# Altium PCB LimeSDR-XTRX_1v4.PcbDoc (part 1 of 8) (continued)
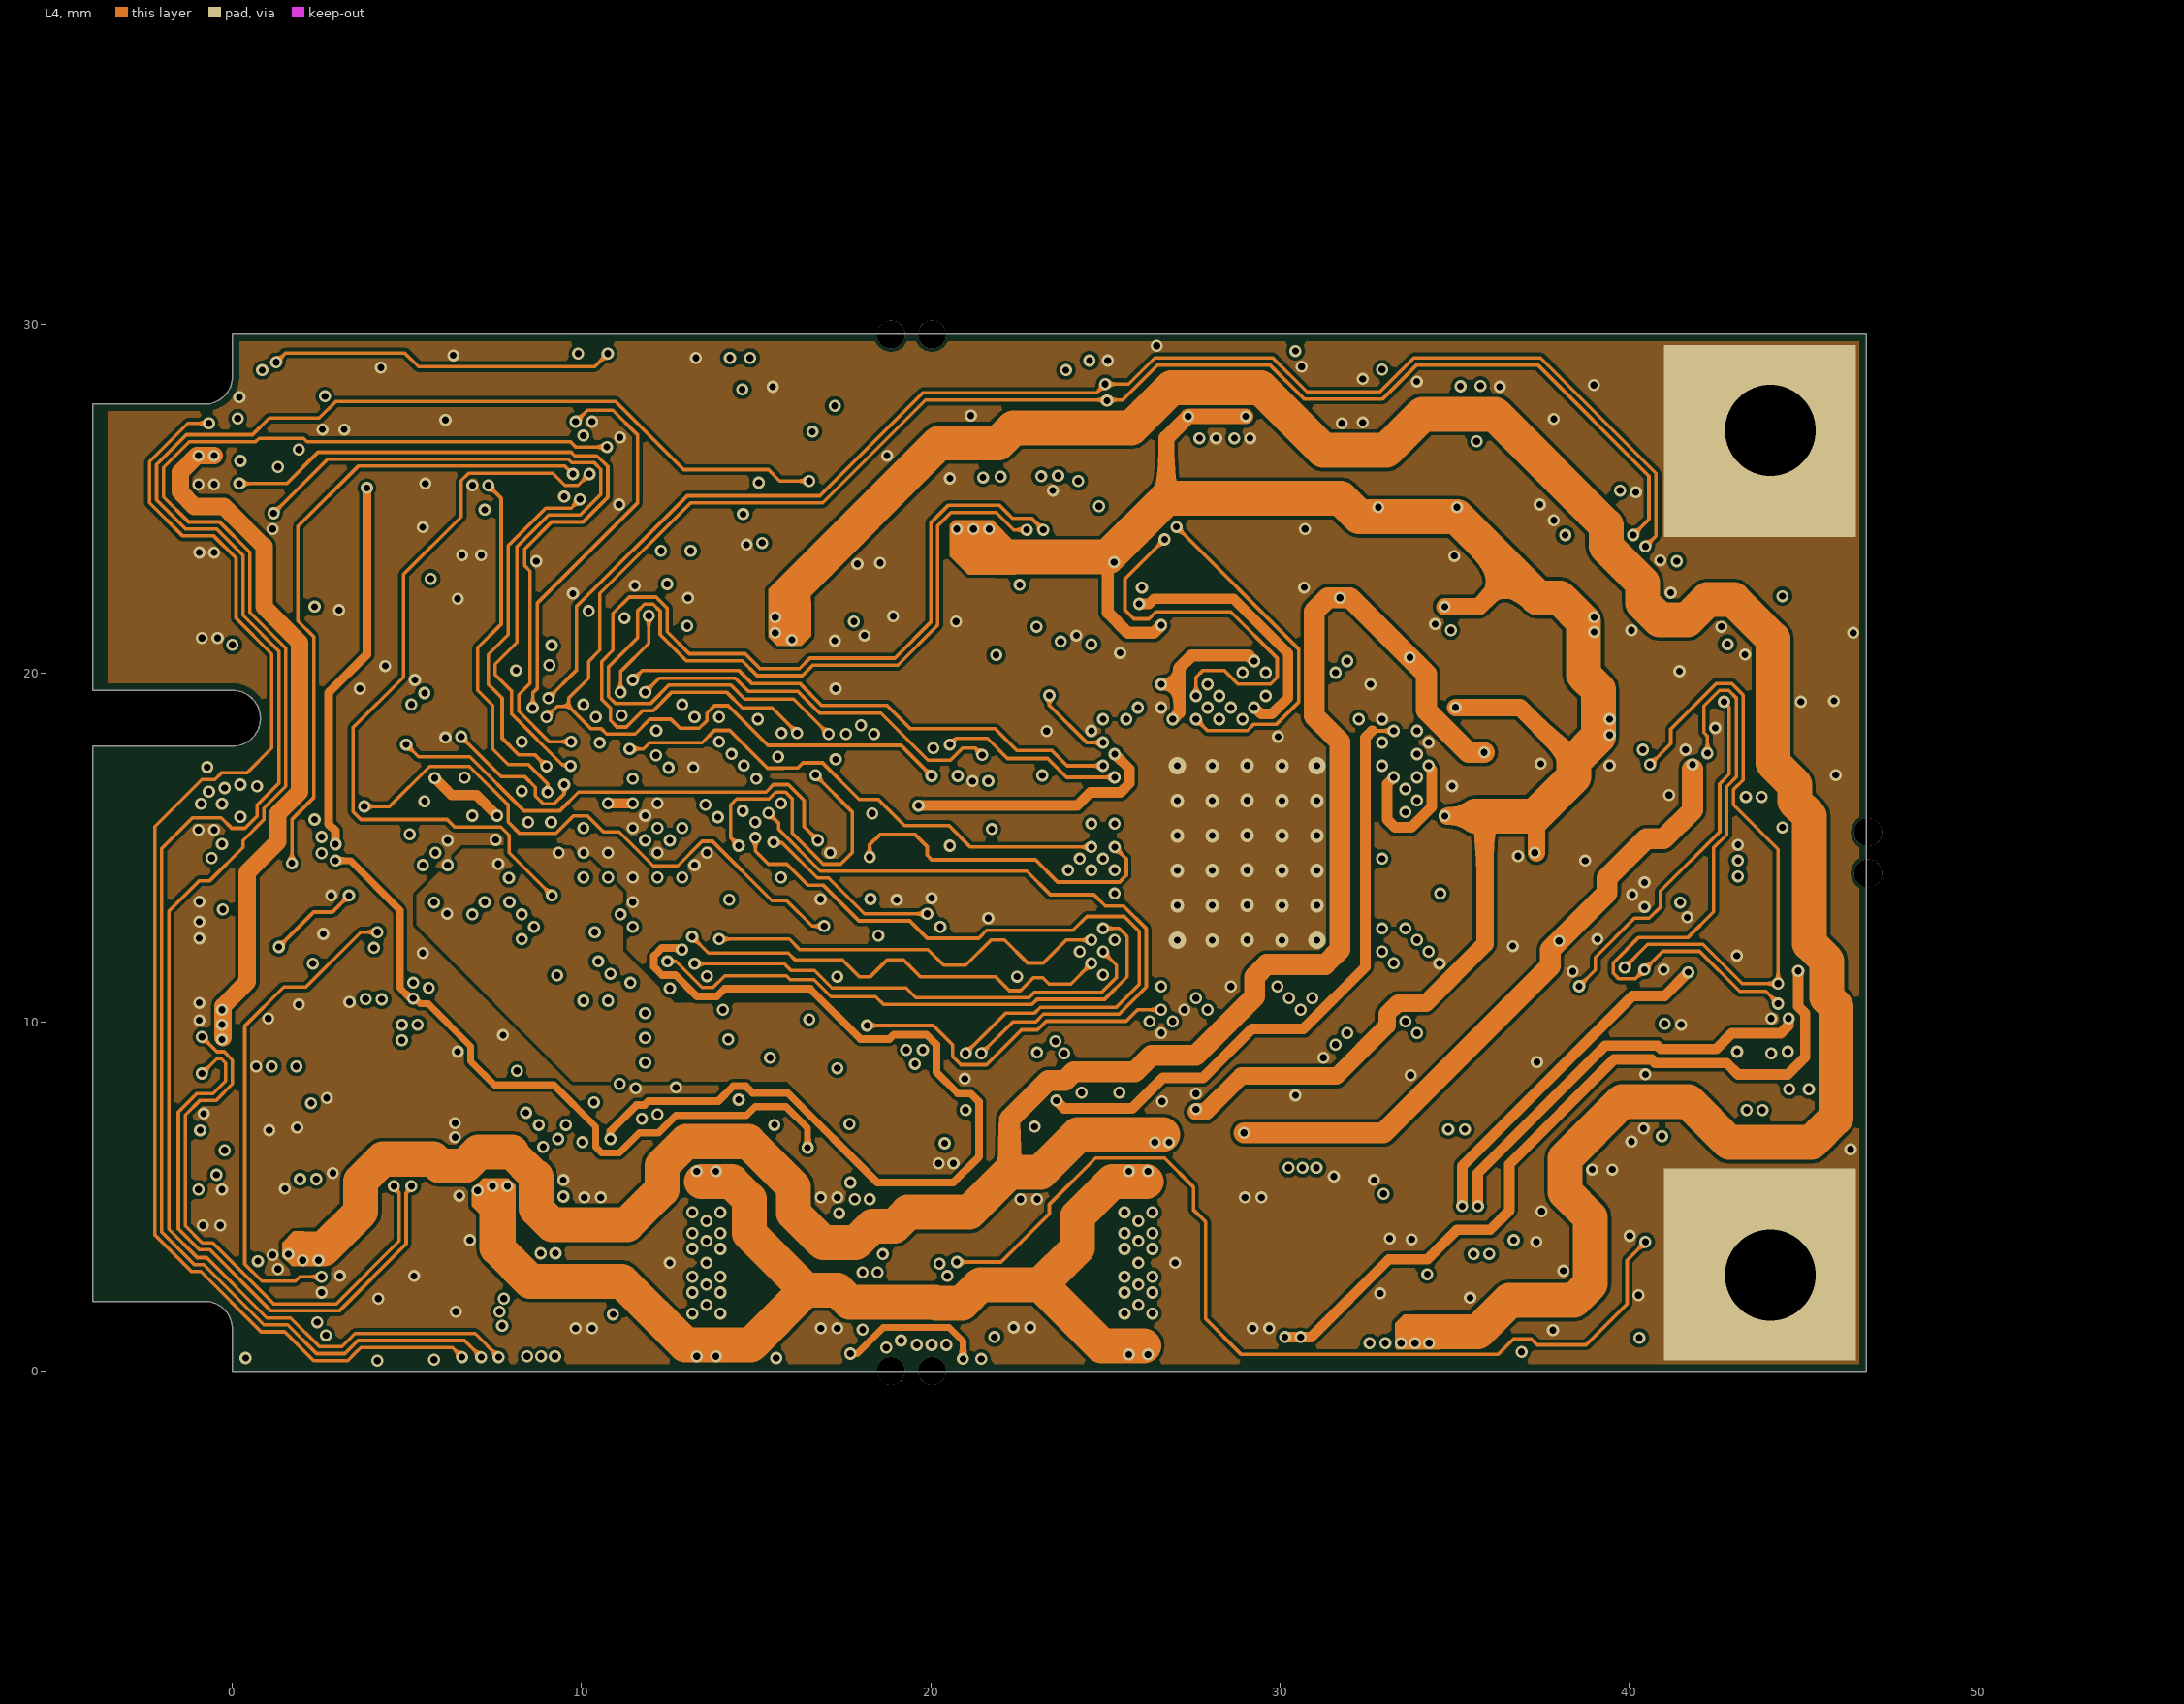
[diagram p4: L4]
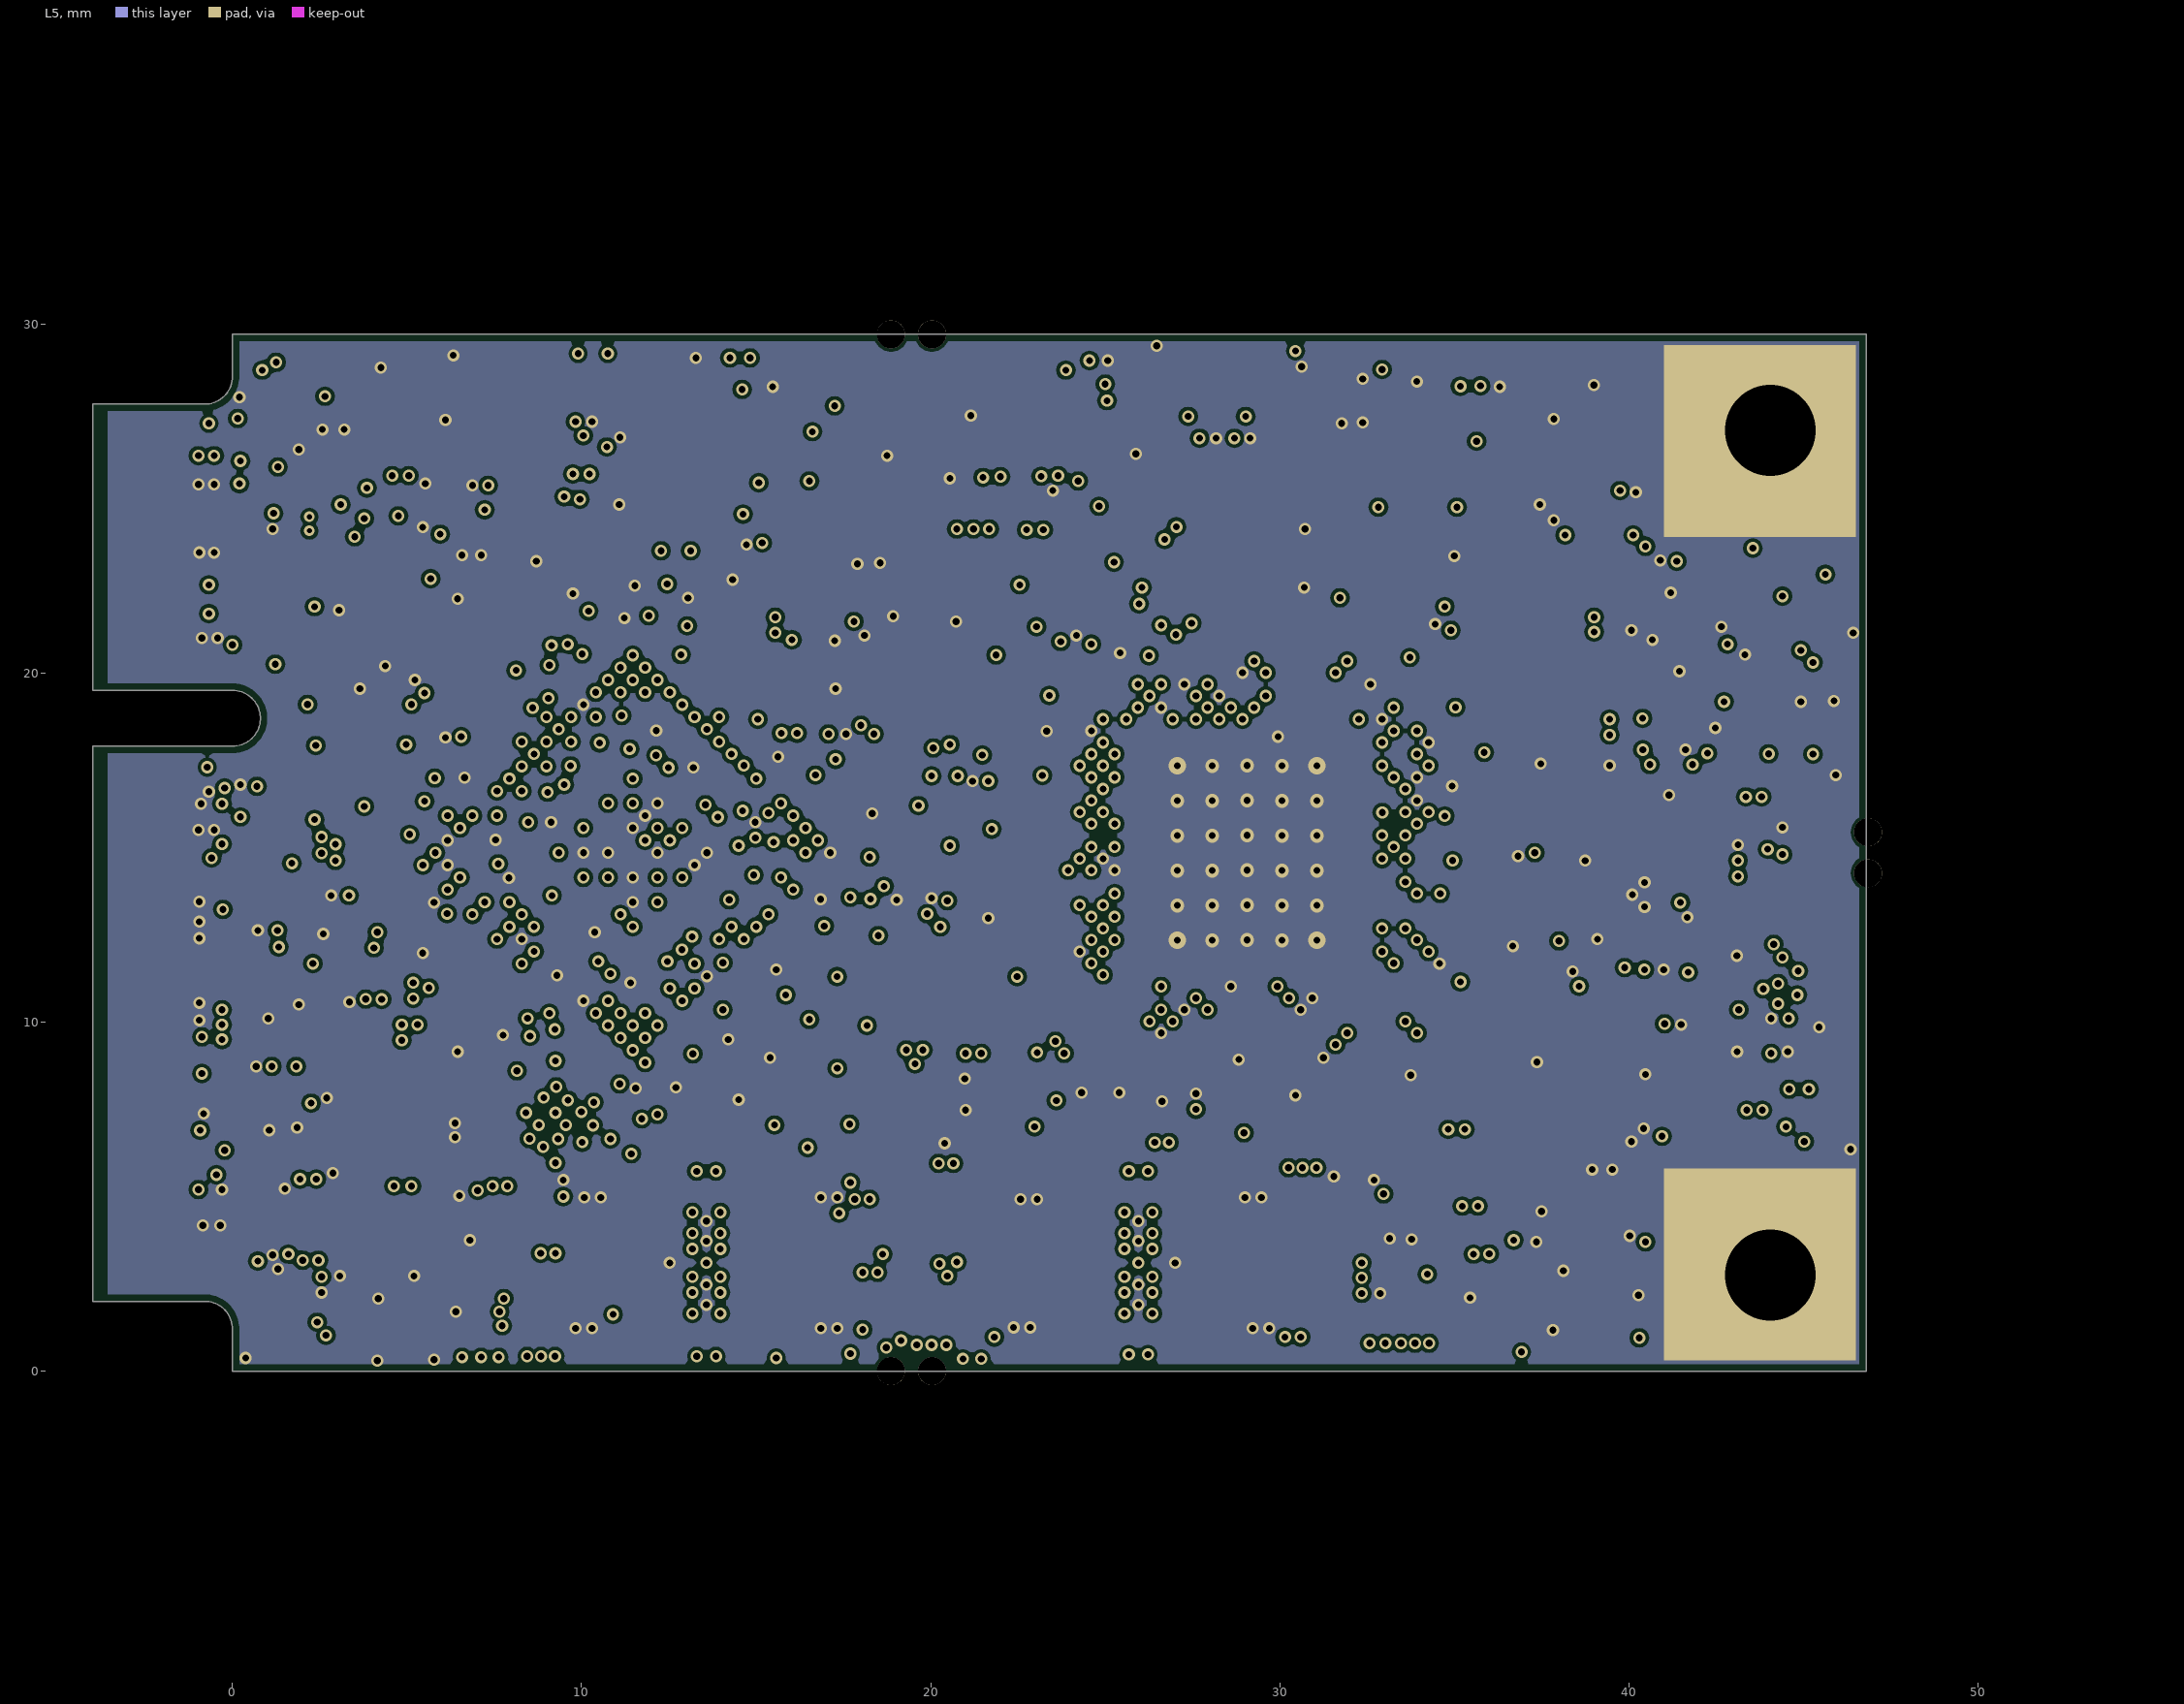
[diagram p5: L5]
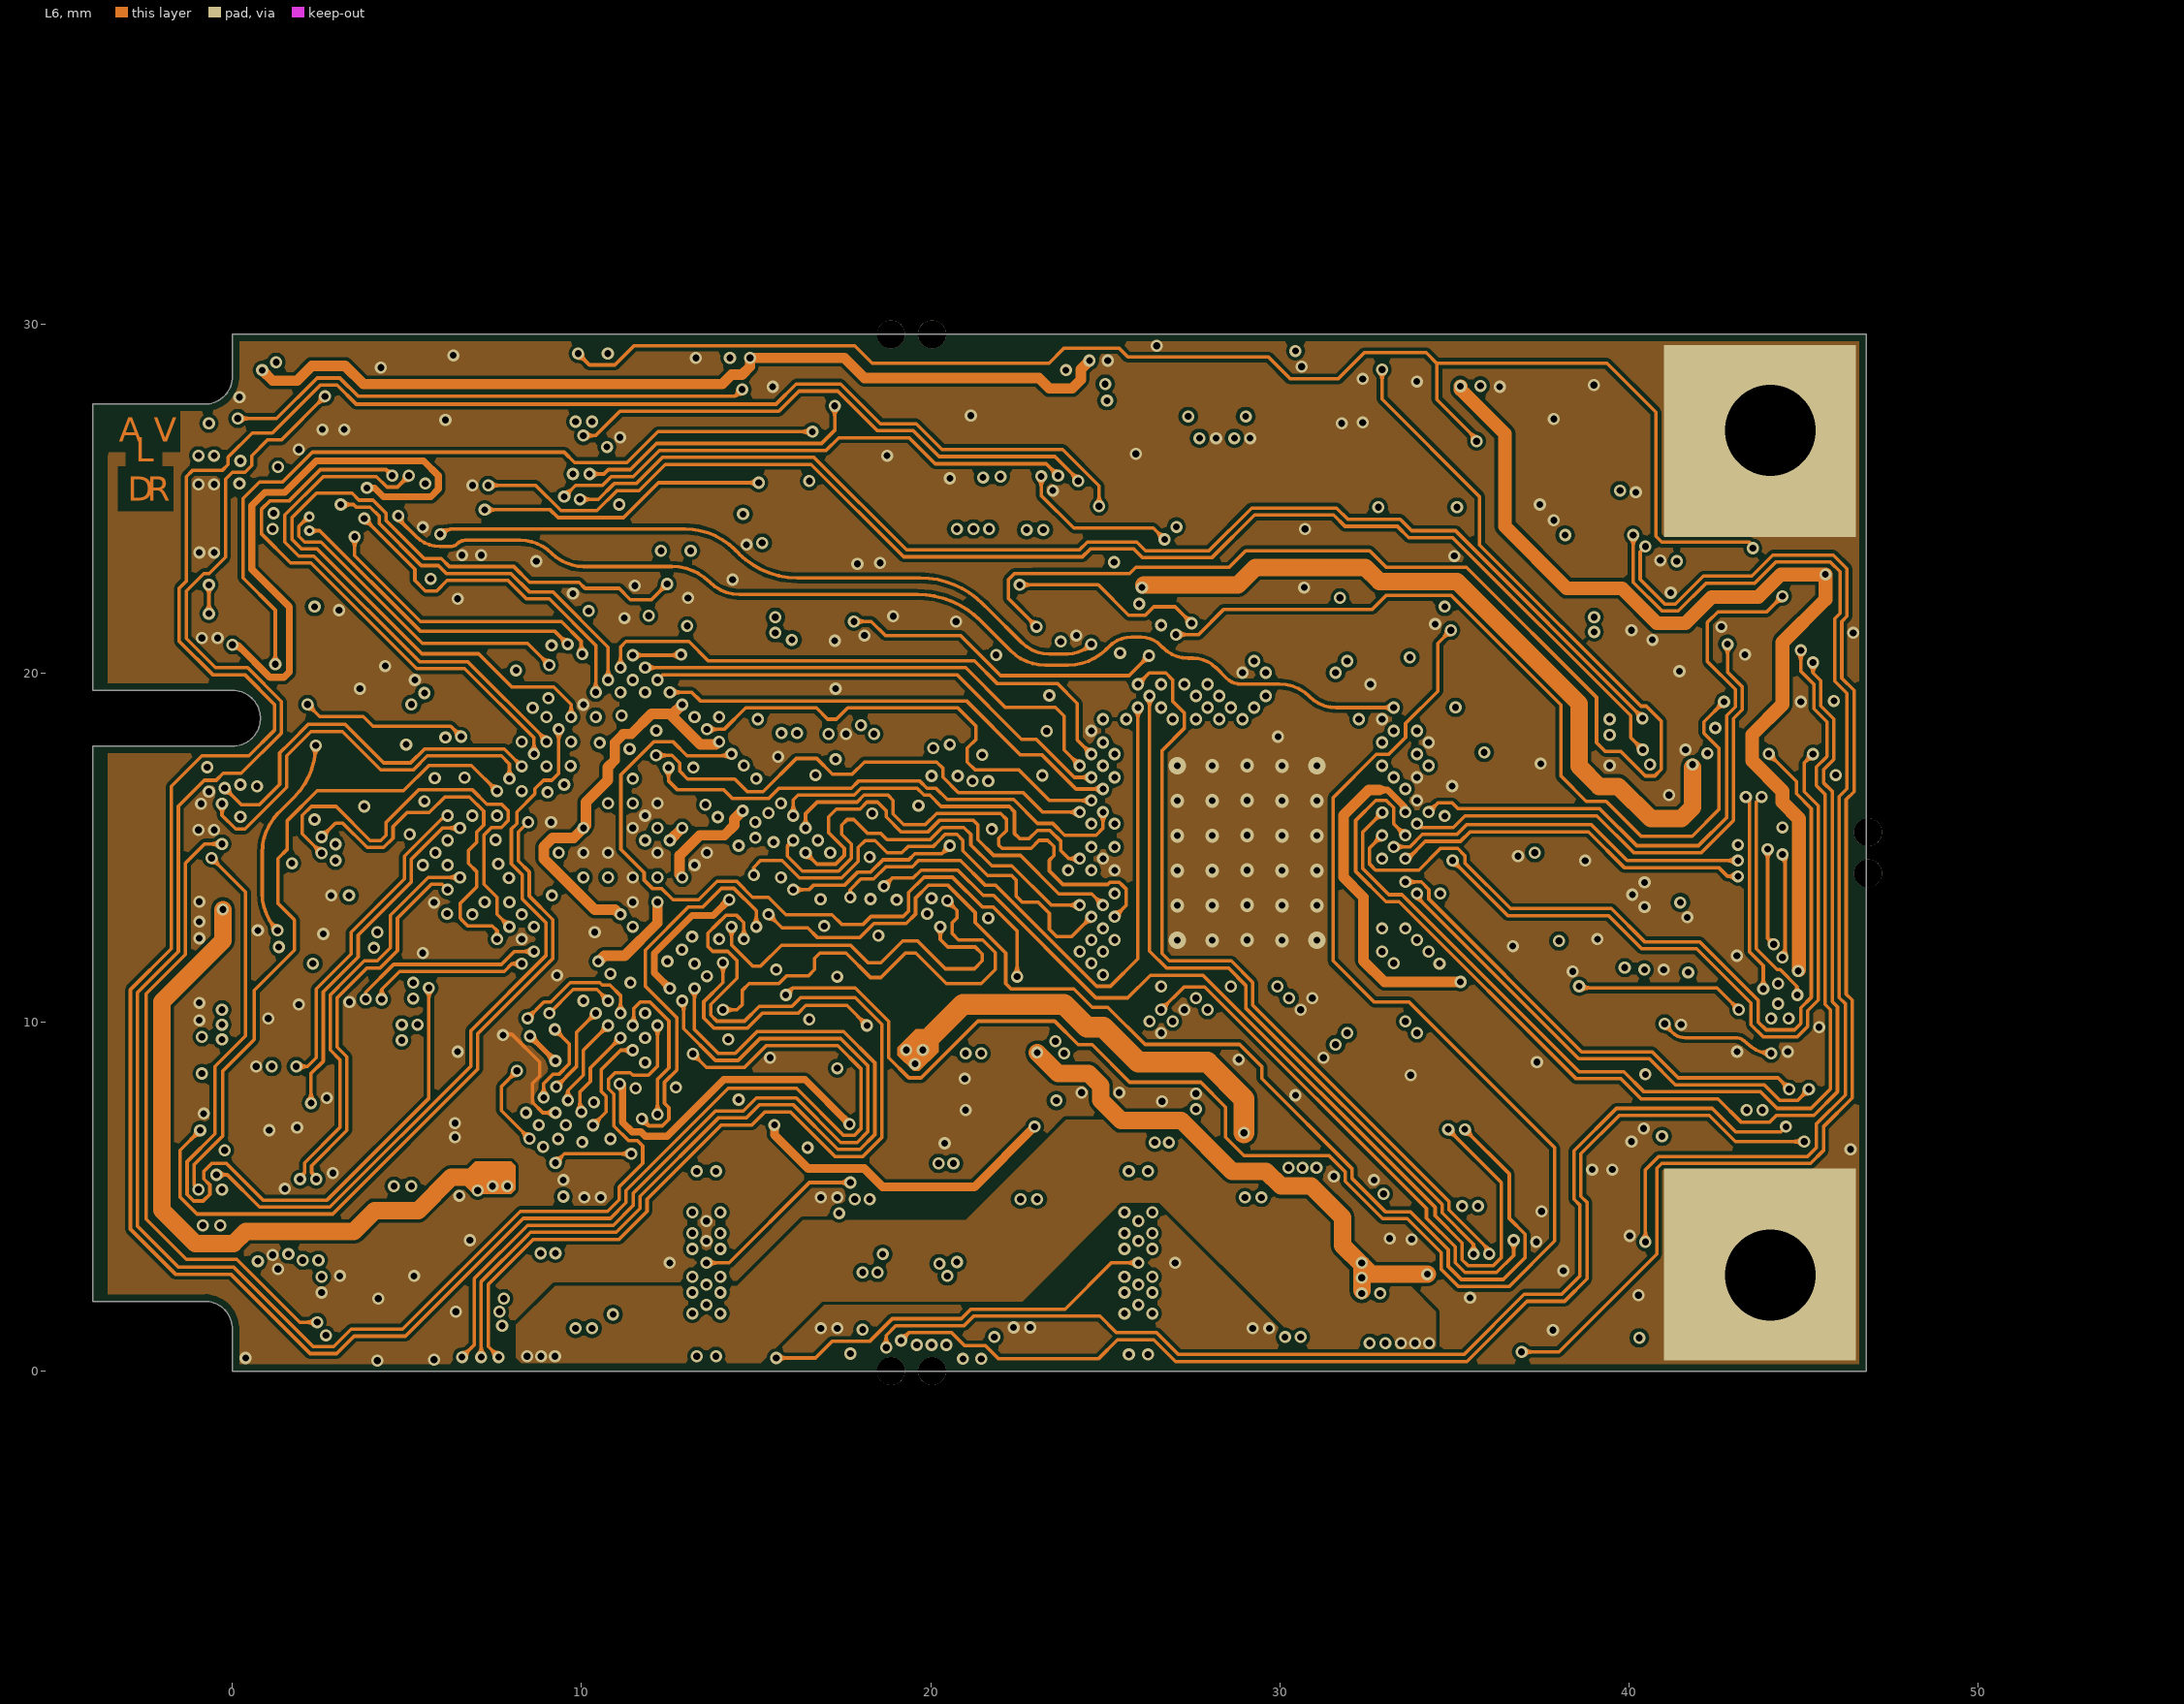
[diagram p6: L6]